# Altium PCB NC1-1A-BASIS.PcbDoc (part 1 of 2) (continued)
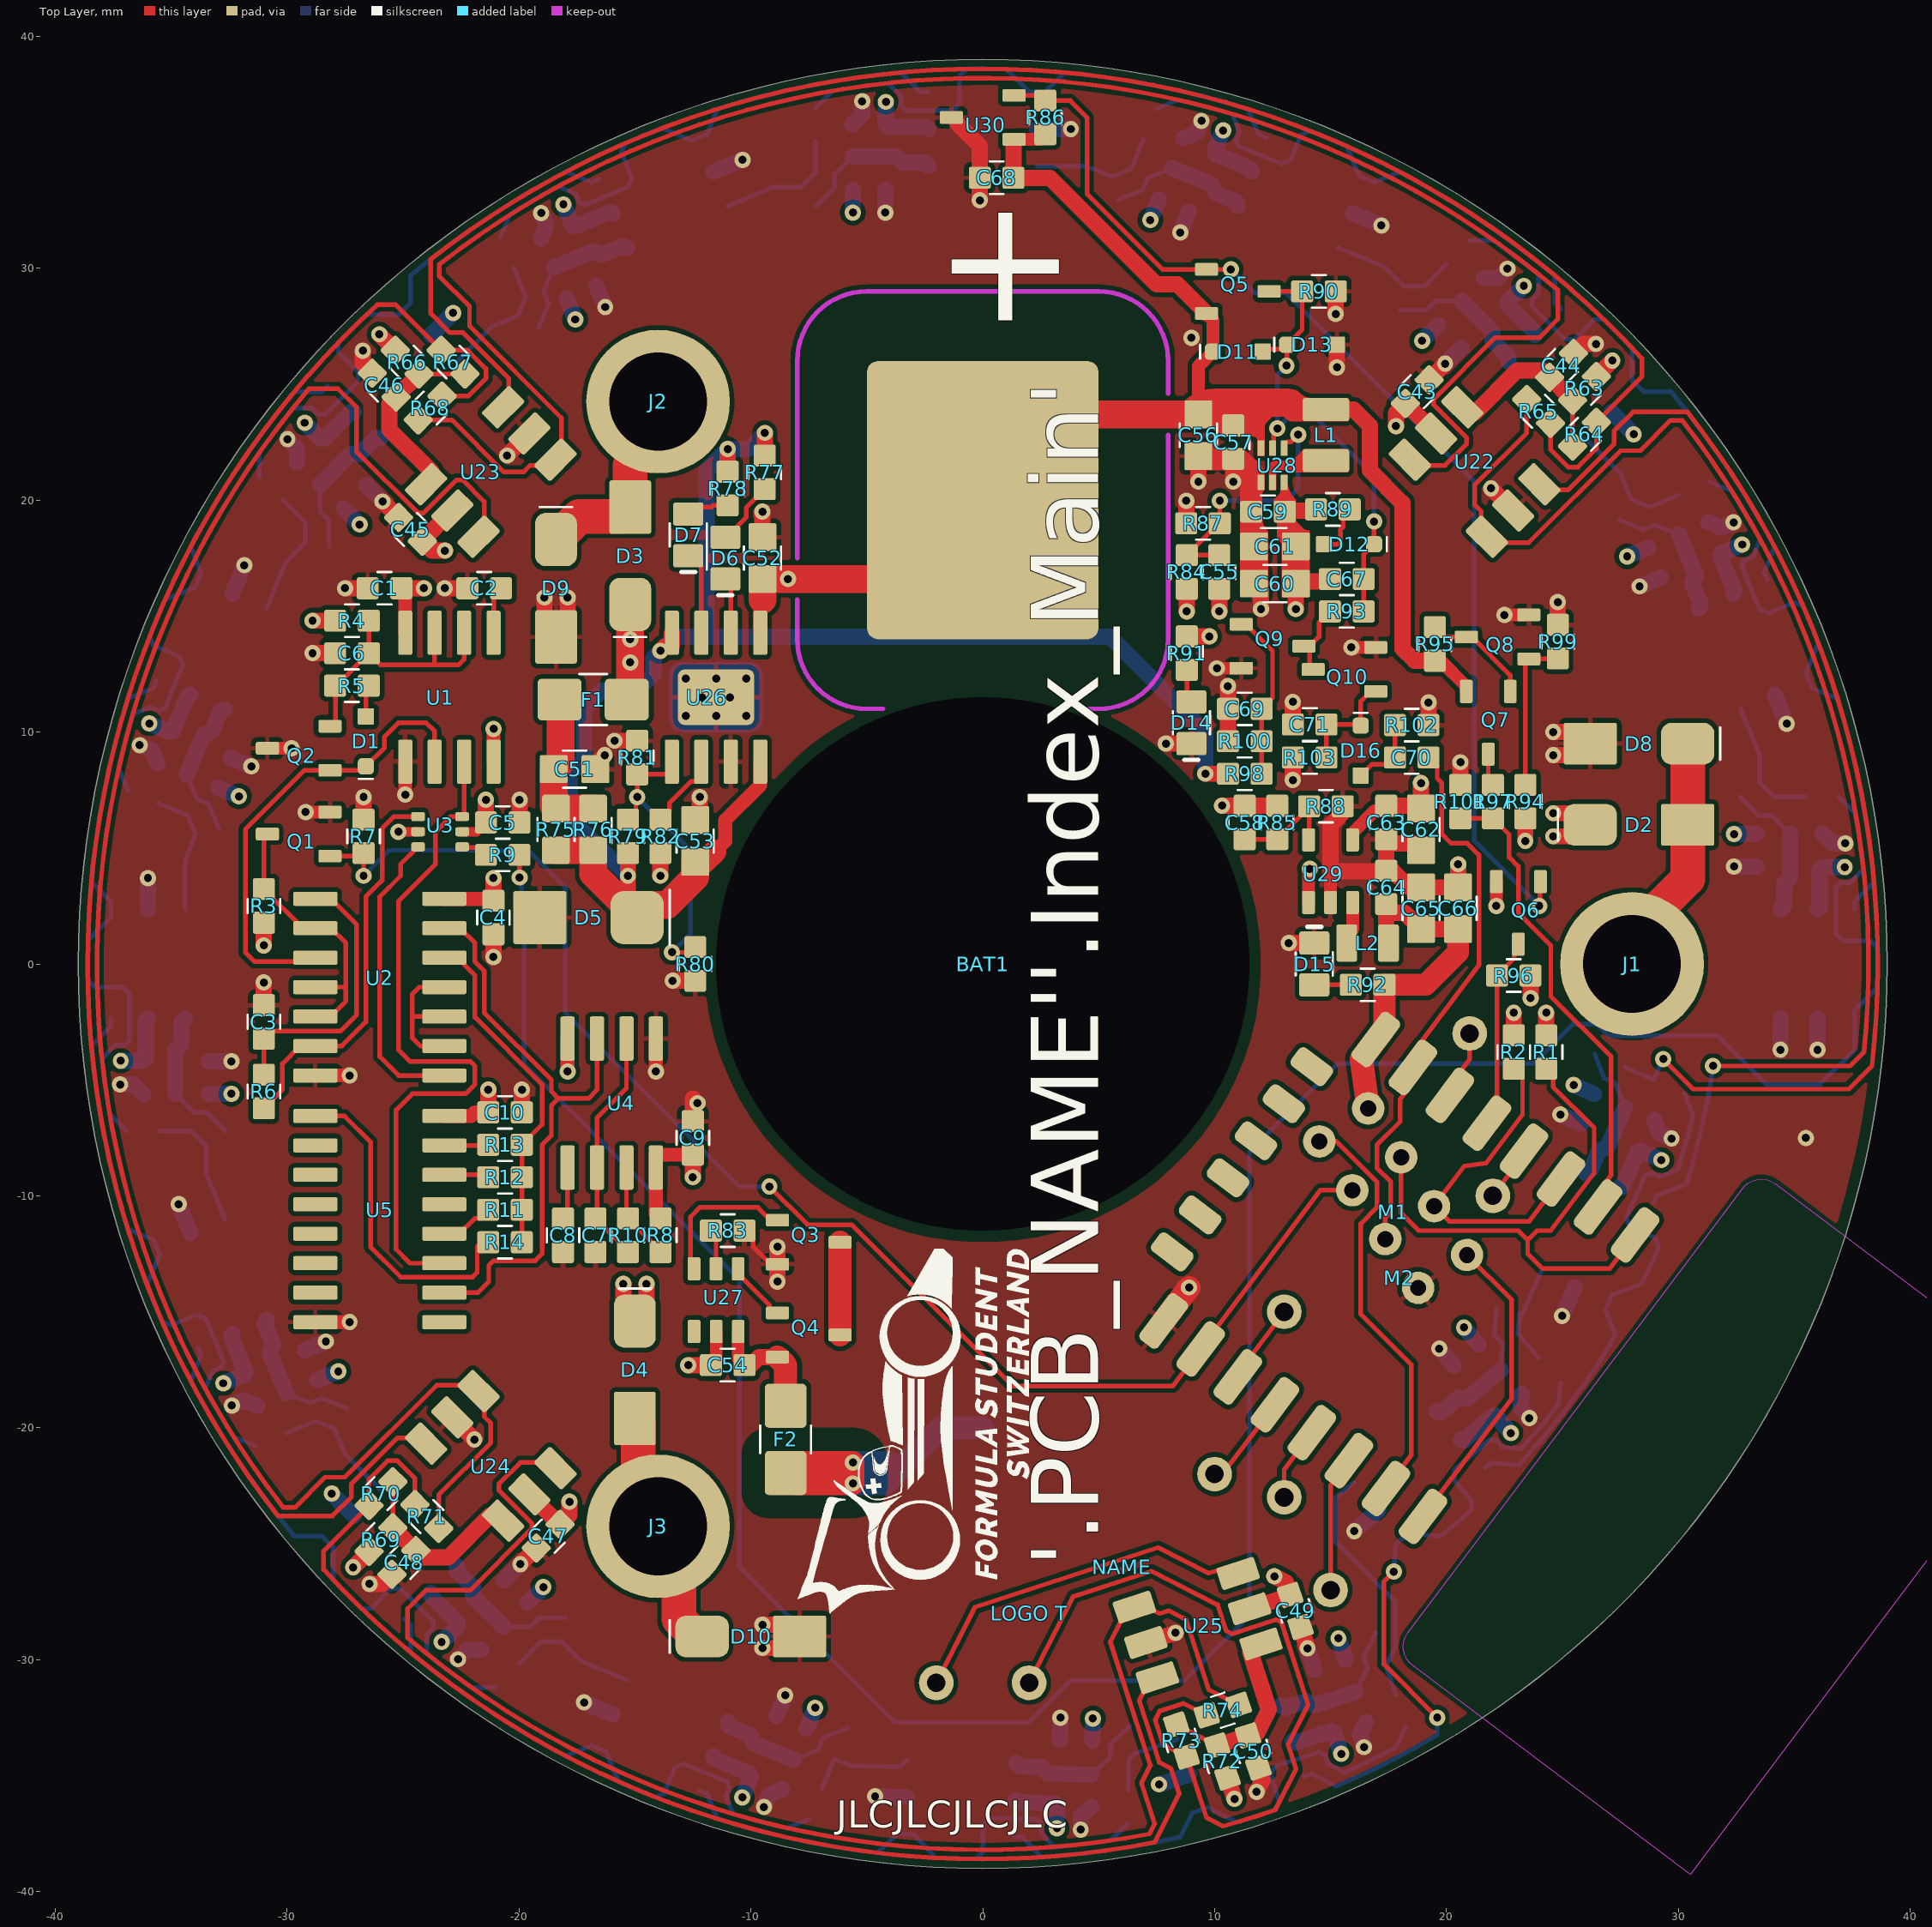
[diagram p0: Top Layer view]
## Components (designator, comment, footprint, x,y, rotation, side; value= is the part's Value field where it differs from the comment) (continued)
D7 "LED Red" LED0805_RED -12.7,18.5 r90 top value=Red
D8 "SS34" DIOM5226X230 28.3,9.5 r180 top
D9 "SS34" DIOM5226X230 -18.4,16.2 r270 top
D10 "SS34" DIOM5226X230 -10,-29 r0 top
D11 "1N5819WS" SOD2513X100 11,26.4 r0 top
D12 "1N5819WS" SOD2513X100 15.8,18.1 r180 top
D13 "1N5819WS" SOD2513X100 14.2,26.7 r0 top
D14 "LED Green" LED0805_GREEN 9,10.4 r90 top value=Green
D15 "LED Green" LED0805_GREEN 14.3,0 r270 top value=Green
D16 "1N5819WS" SOD2513X100 16.3,9.2 r270 top
F1 "1.5A/1206/Fuse" Fuse1206-0.55-WW -16.8,11.4 r180 top value=1.5A
F2 "1.5A/1206/Fuse" Fuse1206-0.55-WW -8.5,-20.5 r90 top value=1.5A
J1 "PEM M3, 2mm" MECH_SMTSO3020CTJ 28,0 r270 top
J2 "PEM M3, 2mm" MECH_SMTSO3020CTJ -14,24.249 r330 top
J3 "PEM M3, 2mm" MECH_SMTSO3020CTJ -14,-24.249 r210 top
L1 "1UH/2520" INDM2520X10 14.8,22.8 r270 top value=1UH
L2 "2.2UH/2016" INDM2016X10 16.6,0.9 r0 top value=2.2UH
"LOGO B" "Comment" FSCH-LOGO-20MM -11.9,11.3 r270 bottom
"LOGO T" "Comment" FSCH-LOGO-10MM 2,-28 r90 top
M1 "ESP-01S" ESP-01S 17.7,-10.1 r124 top
M2 "ESP-12F" ESP-12F 25.556,-19.258 r143 top
NAME "Comment" PCB-NAME 6,-26 r90 top
Q1 "AO3400A" SOT2395P280X125-3-SE -29.5,5.6 r0 top
Q2 "MMBT4403L" SOT2395P280X125-3-SE -29.5,9.3 r0 top
Q3 "AO3400A" SOT2395P280X125-3-SE -7.5,-12 r180 top
Q4 "AO3400A" SOT2395P280X125-3-SE -7.5,-16 r180 top
Q5 "BSS84" SOT2395P280X125-3-SE 11,29 r180 top
Q6 "BSS84" SOT2395P280X125-3-SE 23.1,2.2 r90 top
Q7 "BSS84" SOT2395P280X125-3-SE 21.8,10.4 r90 top
Q8 "AO3400A" SOT2395P280X125-3-SE 22.2,14.1 r0 top
Q9 "AO3400A" SOT2395P280X125-3-SE 12.5,13.7 r180 top
Q10 "AO3400A" SOT2395P280X125-3-SE 15.6,12.7 r0 top
R1 "1K5/0603" R0603-0.40-WW 24.3,-3.8 r270 top value=1K5
R2 "1K5/0603" R0603-0.40-WW 22.9,-3.8 r270 top value=1K5
R3 "1K5/0603" R0603-0.40-WW -31,2.5 r90 top value=1K5
R4 "100K/0603" R0603-0.40-WW -27.2,14.8 r0 top value=100K
R5 "20R/0603" R0603-0.40-WW -27.2,12 r180 top value=20R
R6 "100K/0603" R0603-0.40-WW -31,-5.5 r90 top value=100K
R7 "100K/0603" R0603-0.40-WW -26.7,5.5 r270 top value=100K
R8 "1K5/0603" R0603-0.40-WW -13.9,-11.7 r270 top value=1K5
R9 "270R/0603" R0603-0.40-WW -20.7,4.7 r0 top value=270R
R10 "270R/0603" R0603-0.40-WW -15.3,-11.7 r270 top value=270R
R11 "1K5/0603" R0603-0.40-WW -20.6,-10.6 r0 top value=1K5
R12 "1K5/0603" R0603-0.40-WW -20.6,-9.2 r0 top value=1K5
R13 "1K5/0603" R0603-0.40-WW -20.6,-7.8 r0 top value=1K5
R14 "1K5/0603" R0603-0.40-WW -20.6,-12 r0 top value=1K5
R15 "270R/0603" R0603-0.40-WW 34.1,5.6 r0 bottom value=270R
R16 "0R/0603" R0603-0.40-WW 33.4,7.2 r0 bottom value=0R
R17 "0R/0603" R0603-0.40-WW 36.2,7.2 r180 bottom value=0R
R18 "270R/0603" R0603-0.40-WW 29.361,18.223 r22.5 bottom value=270R (schematic designator R15)
R19 "0R/0603" R0603-0.40-WW 28.102,19.434 r22.5 bottom value=0R (schematic designator R16)
R20 "0R/0603" R0603-0.40-WW 30.689,20.505 r202.5 bottom value=0R (schematic designator R17)
R21 "270R/0603" R0603-0.40-WW 20.153,28.072 r45 bottom value=270R (schematic designator R15)
R22 "0R/0603" R0603-0.40-WW 18.526,28.709 r45 bottom value=0R (schematic designator R16)
R23 "0R/0603" R0603-0.40-WW 20.506,30.688 r225 bottom value=0R (schematic designator R17)
R24 "270R/0603" R0603-0.40-WW 7.876,33.647 r67.5 bottom value=270R (schematic designator R15)
R25 "0R/0603" R0603-0.40-WW 6.13,33.613 r67.5 bottom value=0R (schematic designator R16)
R26 "0R/0603" R0603-0.40-WW 7.201,36.2 r247.5 bottom value=0R (schematic designator R17)
R27 "270R/0603" R0603-0.40-WW -5.6,34.1 r90 bottom value=270R (schematic designator R15)
R28 "0R/0603" R0603-0.40-WW -7.2,33.4 r90 bottom value=0R (schematic designator R16)
R29 "0R/0603" R0603-0.40-WW -7.2,36.2 r270 bottom value=0R (schematic designator R17)
R30 "270R/0603" R0603-0.40-WW -18.223,29.361 r112.5 bottom value=270R (schematic designator R15)
R31 "0R/0603" R0603-0.40-WW -19.434,28.102 r112.5 bottom value=0R (schematic designator R16)
R32 "0R/0603" R0603-0.40-WW -20.505,30.689 r292.5 bottom value=0R (schematic designator R17)
R33 "270R/0603" R0603-0.40-WW -28.072,20.153 r135 bottom value=270R (schematic designator R15)
R34 "0R/0603" R0603-0.40-WW -28.709,18.526 r135 bottom value=0R (schematic designator R16)
R35 "0R/0603" R0603-0.40-WW -30.688,20.506 r315 bottom value=0R (schematic designator R17)
R36 "270R/0603" R0603-0.40-WW -33.647,7.876 r157.5 bottom value=270R (schematic designator R15)
R37 "0R/0603" R0603-0.40-WW -33.613,6.13 r157.5 bottom value=0R (schematic designator R16)
R38 "0R/0603" R0603-0.40-WW -36.2,7.201 r337.5 bottom value=0R (schematic designator R17)
R39 "270R/0603" R0603-0.40-WW -34.1,-5.6 r180 bottom value=270R (schematic designator R15)
R40 "0R/0603" R0603-0.40-WW -33.4,-7.2 r180 bottom value=0R (schematic designator R16)
R41 "0R/0603" R0603-0.40-WW -36.2,-7.2 r0 bottom value=0R (schematic designator R17)
R42 "270R/0603" R0603-0.40-WW -29.361,-18.223 r202.5 bottom value=270R (schematic designator R15)
R43 "0R/0603" R0603-0.40-WW -28.102,-19.434 r202.5 bottom value=0R (schematic designator R16)
R44 "0R/0603" R0603-0.40-WW -30.689,-20.505 r22.5 bottom value=0R (schematic designator R17)
R45 "270R/0603" R0603-0.40-WW -20.153,-28.072 r225 bottom value=270R (schematic designator R15)
R46 "0R/0603" R0603-0.40-WW -18.526,-28.709 r225 bottom value=0R (schematic designator R16)
R47 "0R/0603" R0603-0.40-WW -20.506,-30.688 r45 bottom value=0R (schematic designator R17)
R48 "270R/0603" R0603-0.40-WW -7.876,-33.647 r247.5 bottom value=270R (schematic designator R15)
R49 "0R/0603" R0603-0.40-WW -6.13,-33.613 r247.5 bottom value=0R (schematic designator R16)
R50 "0R/0603" R0603-0.40-WW -7.201,-36.2 r67.5 bottom value=0R (schematic designator R17)
R51 "270R/0603" R0603-0.40-WW 4.705,-34.235 r268.5 bottom value=270R (schematic designator R15)
R52 "0R/0603" R0603-0.40-WW 6.323,-33.577 r268.5 bottom value=0R (schematic designator R16)
R53 "0R/0603" R0603-0.40-WW 6.25,-36.376 r88.5 bottom value=0R (schematic designator R17)
R54 "270R/0603" R0603-0.40-WW 15.863,-30.701 r288 bottom value=270R (schematic designator R15)
R55 "0R/0603" R0603-0.40-WW 17.169,-29.54 r288 bottom value=0R (schematic designator R16)
R56 "0R/0603" R0603-0.40-WW 18.034,-32.203 r108 bottom value=0R (schematic designator R17)
R57 "270R/0603" R0603-0.40-WW 21.858,-16.97 r310.5 bottom value=270R (schematic designator R15)
R58 "0R/0603" R0603-0.40-WW 22.62,-15.399 r310.5 bottom value=0R (schematic designator R16)
R59 "0R/0603" R0603-0.40-WW 24.439,-17.528 r130.5 bottom value=0R (schematic designator R17)
R60 "270R/0603" R0603-0.40-WW 27.035,-5.907 r336 bottom value=270R (schematic designator R15)
R61 "0R/0603" R0603-0.40-WW 27.046,-4.16 r336 bottom value=0R (schematic designator R16)
R62 "0R/0603" R0603-0.40-WW 29.604,-5.299 r156 bottom value=0R (schematic designator R17)
R63 "270R/0603" R0603-0.40-WW 25.951,24.819 r225 top value=270R (schematic designator R15)
R64 "0R/0603" R0603-0.40-WW 25.951,22.84 r45 top value=0R (schematic designator R16)
R65 "0R/0603" R0603-0.40-WW 23.971,23.829 r315 top value=0R (schematic designator R17)
R66 "270R/0603" R0603-0.40-WW -24.819,25.951 r315 top value=270R (schematic designator R15)
R67 "0R/0603" R0603-0.40-WW -22.84,25.951 r135 top value=0R (schematic designator R16)
R68 "0R/0603" R0603-0.40-WW -23.829,23.971 r45 top value=0R (schematic designator R17)
R69 "270R/0603" R0603-0.40-WW -25.951,-24.819 r45 top value=270R (schematic designator R15)
R70 "0R/0603" R0603-0.40-WW -25.951,-22.84 r225 top value=0R (schematic designator R16)
R71 "0R/0603" R0603-0.40-WW -23.971,-23.83 r135 top value=0R (schematic designator R17)
R72 "270R/0603" R0603-0.40-WW 10.333,-34.39 r108 top value=270R (schematic designator R15)
R73 "0R/0603" R0603-0.40-WW 8.569,-33.491 r288 top value=0R (schematic designator R16)
R74 "0R/0603" R0603-0.40-WW 10.35,-32.177 r198 top value=0R (schematic designator R17)
R75 "1R/0805" R0805-0.50-WW -18.4,5.8 r270 top value=1R (schematic designator R18)
R76 "1R/0805" R0805-0.50-WW -16.8,5.8 r270 top value=1R (schematic designator R19)
R77 "270R/0603" R0603-0.40-WW -9.4,21.2 r270 top value=270R (schematic designator R20)
R78 "270R/0603" R0603-0.40-WW -11,20.5 r270 top value=270R (schematic designator R21)
R79 "4K7/0603" R0603-0.40-WW -15.3,5.5 r90 top value=4K7 (schematic designator R22)
R80 "10K/0603/NTC/3380K" R0603-0.40-WW -12.4,0 r270 top value=10K (schematic designator R23)
R81 "100K/0603" R0603-0.40-WW -14.9,8.9 r90 top value=100K (schematic designator R24)
R82 "1K5/0603" R0603-0.40-WW -13.9,5.5 r270 top value=1K5 (schematic designator R25)
R83 "1K5/0603" R0603-0.40-WW -11,-11.5 r0 top value=1K5 (schematic designator R26)
R84 "100K/0603" R0603-0.40-WW 8.8,16.9 r90 top value=100K (schematic designator R27)
R85 "100K/0603" R0603-0.40-WW 12.7,6.1 r270 top value=100K (schematic designator R28)
R86 "100K/0603" R0603-0.40-WW 2.7,36.5 r90 top value=100K (schematic designator R29)
R87 "13K/0603" R0603-0.40-WW 9.5,19 r0 top value=13K (schematic designator R30)
R88 "22K/0603" R0603-0.40-WW 14.8,6.8 r0 top value=22K (schematic designator R31)
R89 "22K/0603" R0603-0.40-WW 15.1,19.6 r180 top value=22K (schematic designator R32)
R90 "100K/0603" R0603-0.40-WW 14.5,29 r0 top value=100K (schematic designator R33)
R91 "270R/0603" R0603-0.40-WW 8.8,13.4 r270 top value=270R (schematic designator R34)
R92 "20R/0603" R0603-0.40-WW 16.6,-0.9 r180 top value=20R (schematic designator R35)
R93 "1K5/0603" R0603-0.40-WW 15.7,15.2 r180 top value=1K5 (schematic designator R36)
R94 "22K/0603" R0603-0.40-WW 23.4,7 r90 top value=22K (schematic designator R37)
R95 "100K/0603" R0603-0.40-WW 19.5,13.8 r90 top value=100K (schematic designator R38)
R96 "100K/0603" R0603-0.40-WW 22.9,-0.5 r0 top value=100K (schematic designator R39)
R97 "100K/0603" R0603-0.40-WW 22,7 r270 top value=100K (schematic designator R40)
R98 "100K/0603" R0603-0.40-WW 11.3,8.2 r0 top value=100K (schematic designator R41)
R99 "100K/0603" R0603-0.40-WW 24.8,13.9 r90 top value=100K (schematic designator R42)
R100 "10M/0603" R0603-0.40-WW 11.3,9.6 r180 top value=10M (schematic designator R43)
R101 "22K/0603" R0603-0.40-WW 20.6,7 r90 top value=22K (schematic designator R44)
R102 "270R/0603" R0603-0.40-WW 18.5,10.3 r0 top value=270R (schematic designator R45)
R103 "100K/0603" R0603-0.40-WW 14.1,8.9 r180 top value=100K (schematic designator R46)
TP1 "TP_THD_1.5/0.8" TP_THD_1.5/0.8 -2,-31 r90 bottom
TP2 "TP_THD_1.5/0.8" TP_THD_1.5/0.8 2,-31 r169.78 bottom
TP3 "TP_THD_1.5/0.8" TP_THD_1.5/0.8 10,-22 r180 bottom
TP4 "TP_THD_1.5/0.8" TP_THD_1.5/0.8 13,-15 r180 bottom
TP5 "TP_THD_1.5/0.8" TP_THD_1.5/0.8 13,-23 r180 bottom
TP6 "TP_THD_1.5/0.8" TP_THD_1.5/0.8 15,-27 r180 bottom
TP9 "TP_THD_1.5/0.8" TP_THD_1.5/0.8 21,-3 r180 bottom
TP10 "TP_THD_1.5/0.8" TP_THD_1.5/0.8 22,-10 r180 bottom
U1 "XL555" SOP127P600X155-8-SW -23,11.5 r0 top
U2 "AIP74HC00" SOP127P600X155-14-SW -26,-1 r270 top
U3 "74LVC1G157" SOT65P210X95-6-SE -23.4,5.7 r180 top
U4 "XL555" SOP127P600X155-8-SW -16,-6 r180 top
U5 "CD4040BC" SOP127P600X155-16-SW -26,-11 r270 top
U6 "WS2813B-V5" LEDM5050X165-6-SE#1 36,0 r90 bottom
U7 "WS2813B-V5" LEDM5050X165-6-SE#1 33.26,13.777 r112.5 bottom (schematic designator U6)
U8 "WS2813B-V5" LEDM5050X165-6-SE#1 25.456,25.456 r135 bottom (schematic designator U6)
U9 "WS2813B-V5" LEDM5050X165-6-SE#1 13.777,33.26 r157.5 bottom (schematic designator U6)
U10 "WS2813B-V5" LEDM5050X165-6-SE#1 0,36 r180 bottom (schematic designator U6)
U11 "WS2813B-V5" LEDM5050X165-6-SE#1 -13.777,33.26 r202.5 bottom (schematic designator U6)
U12 "WS2813B-V5" LEDM5050X165-6-SE#1 -25.456,25.456 r225 bottom (schematic designator U6)
U13 "WS2813B-V5" LEDM5050X165-6-SE#1 -33.26,13.777 r247.5 bottom (schematic designator U6)
U14 "WS2813B-V5" LEDM5050X165-6-SE#1 -36,0 r270 bottom (schematic designator U6)
U15 "WS2813B-V5" LEDM5050X165-6-SE#1 -33.26,-13.777 r292.5 bottom (schematic designator U6)
U16 "WS2813B-V5" LEDM5050X165-6-SE#1 -25.456,-25.456 r315 bottom (schematic designator U6)
U17 "WS2813B-V5" LEDM5050X165-6-SE#1 -13.777,-33.26 r337.5 bottom (schematic designator U6)
U18 "WS2813B-V5" LEDM5050X165-6-SE#1 -0.942,-35.988 r358.5 bottom (schematic designator U6)
U19 "WS2813B-V5" LEDM5050X165-6-SE#1 11.125,-34.238 r18 bottom (schematic designator U6)
U20 "WS2813B-V5" LEDM5050X165-6-SE#1 18.834,-22.052 r40.5 bottom (schematic designator U6)
U21 "WS2813B-V5" LEDM5050X165-6-SE#1 26.493,-11.795 r66 bottom (schematic designator U6)
U22 "WS2813B-V5" LEDM5050X165-6-SE#2 21.213,21.213 r135 top (schematic designator U6)
U23 "WS2813B-V5" LEDM5050X165-6-SE#2 -21.213,21.213 r225 top (schematic designator U6)
U24 "WS2813B-V5" LEDM5050X165-6-SE#2 -21.213,-21.213 r315 top (schematic designator U6)
U25 "WS2813B-V5" LEDM5050X165-6-SE#2 9.271,-28.532 r18 top (schematic designator U6)
U26 "TP4056-MS" SOP127P600X155-9-TH330x240-NW -11.5,11.5 r90 top (schematic designator U7)
U27 "DW01A" SOT2395P280X125-6-SW -11.5,-14.5 r180 top (schematic designator U8)
U28 "TPS61023" SOT50P160X60-6-SE 12.5,21.5 r90 top (schematic designator U9)
U29 "ZD8028C" SOT2395P280X125-5-SW 15,4 r0 top (schematic designator U10)
U30 "UHE4913" SOT2395P280X125-3-SE 0,36.5 r0 top (schematic designator U11)
? "Comment" JLC 0,-37 r0 top

## Footprints (in the part's own frame and the unit in brackets; to place one, negate y for a bottom-side part, rotate by r counter-clockwise, add the part's x,y. Pads: shape width x height; smd on the part's side, far side on the other; paste and mask are expansions set on the pad)
BAT-21700-NC [mm] "Hole for 21700 with two solder Pads for FSCH nightcone project"
  rrect10% 12x10 smd paste-2539.97: 1(20,0)
  rrect10% 12x10 smd far side paste-2539.97: 2(-20,0)
  round 0 hole 23 unplated: M15(0,0)
  body extent -24,-10.5 24,10.5, height 40
CAP0603_C0G [mm]
  rrect20% 0.95x0.95 smd: 1(-0.725,0) 2(0.725,0)
  silkscreen extent -0.3,-0.7 0.3,0.7, body extent -0.8,-0.41 0.8,0.41, height 0.57
CAP0603_X7R [mm]
  rrect20% 0.95x0.95 smd: 1(-0.725,0) 2(0.725,0)
  silkscreen extent -0.3,-0.7 0.3,0.7, body extent -0.8,-0.41 0.8,0.41, height 0.57
CAP0805_X7R [mm] "Chip Capacitor 0805mil / 2012mm"
  rrect10% 1.2x1.2 smd: 1(-0.9,0) 2(0.9,0)
  silkscreen extent -0.5,-0.8 0.5,0.8, body extent -1,-0.51 1,0.51, height 0.72
DIOM5226X230 [mm] "DO-214AC"
  rrect50% 2.3x1.8 smd: 1(-2.1,0)
  rrect10% 2.3x1.8 smd: 2(2.1,0)
  silkscreen extent -3.5,-0.7 -3.5,0.7, body extent -2.6,-1.4 2.6,1.4, height 2.29
DIOM5436X265 [mm] "DO-214AA"
  rrect50% 2.3x2.3 smd: 1(-2.1,0)
  rrect10% 2.3x2.3 smd: 2(2.1,0)
  silkscreen extent -3.5,-1.2 -3.5,1.2, body extent -2.7,-1.8 2.7,1.8, height 2.65
ESP-01S [mm]
  round 0.4 on Top Overlay: 1(-4.4,2.5)
  round 1.4 hole 0.7: 1(-3.81,1.27) 2(-1.27,1.27) 3(1.27,1.27) 4(3.81,1.27) 5(-3.81,-1.27) 6(-1.27,-1.27) 7(1.27,-1.27) 8(3.81,-1.27)
  body extent -7.3,-2.8 7.1,21.9, height 5
ESP-12F [mm]
  rrect50% 1x2.5 smd: 1(2.5,-7.6) 2(4.5,-7.6) 3(6.5,-7.6) 4(8.5,-7.6) 5(10.5,-7.6) 6(12.5,-7.6) 7(14.5,-7.6) 8(16.5,-7.6) 15(16.5,7.6) 16(14.5,7.6) 17(12.5,7.6) 18(10.5,7.6) 19(8.5,7.6) 20(6.5,7.6) 21(4.5,7.6) 22(2.5,7.6)
  rrect50% 1.8x1 smd: 9(18,-5) 10(18,-3) 11(18,-1) 12(18,1) 13(18,3) 14(18,5)
  Keep-Out Layer region: -16,13 -1,13 -0.617,12.924 -0.293,12.707 -0.076,12.383 0,12 0,12 0,-12 -0.076,-12.383 -0.293,-12.707 -0.617,-12.924 -1,-13 -1,-13 -16,-13
  body extent -6,-8 18,8, height 3.1
FSCH-LOGO-10MM [mm]
  silkscreen extent 0,0 15.7,9.99, body extent 0,0 15.7,9.99, height 0.01
FSCH-LOGO-20MM [mm]
  silkscreen extent 0,0 31.48,20.02, body extent 0,0 31.48,20.02, height 0.01
Fuse1206-0.55-WW [mm]
  rrect20% 1.9x1.8 smd: 1(-1.45,0) 2(1.45,0)
  silkscreen extent -0.6,-1.1 0.6,1.1, body extent -1.6,-0.8 1.6,0.8, height 0.62
INDM2016X10 [mm]
  rrect20% 0.9x1.6 smd: 1(-0.9,0) 2(0.9,0)
  body extent -1,-0.8 1,0.8, height 1
INDM2520X10 [mm]
  rrect20% 1x2 smd: 1(-1.1,0) 2(1.1,0)
  body extent -1.25,-1 1.26,1, height 1
JLC [mm]
LED0805_GREEN [mm]
  rrect20% 1x1.3 smd: 1(-0.9,0) 2(0.9,0)
  silkscreen extent -1.6,-0.8 0.5,0.8, body extent -1,-0.6 1,0.6, height 0.8
LED0805_RED [mm]
  rrect20% 1x1.3 smd: 1(-0.9,0) 2(0.9,0)
  silkscreen extent -1.6,-0.8 0.5,0.8, body extent -1,-0.6 1,0.6, height 0.8
LEDM5050X165-6-SE#1 [mm] "WS2813"
  rrect20% 1.7x1 smd: 1(2.35,-1.6) 2(2.35,0) 3(2.35,1.6) 4(-2.35,1.6) 5(-2.35,0) 6(-2.35,-1.6)
  round 0.4 on Bottom Overlay: 1(2.5,-2.7)
  body extent -2.7,-2.5 2.7,2.5, height 1.65
LEDM5050X165-6-SE#2 [mm] "WS2813"
  rrect20% 1.7x1 smd: 1(2.35,-1.6) 2(2.35,0) 3(2.35,1.6) 4(-2.35,1.6) 5(-2.35,0) 6(-2.35,-1.6)
  round 0.4 on Top Overlay: 1(2.5,-2.7)
  body extent -2.7,-2.5 2.7,2.5, height 1.65
MECH_SMTSO3020CTJ [mm] "SMTSO M3x0.5, 2mm Solder Nut"
  round 6.2 / inner round 5.2 / far side round 5.2 hole 4.22: 1(0,0)
  body extent -2.77,-2.78 2.77,2.78, height 2
PCB-NAME [mm]
R0603-0.40-WW [mm]
  rrect20% 0.95x0.95 smd: 1(-0.725,0) 2(0.725,0)
  silkscreen extent -0.3,-0.7 0.3,0.7, body extent -0.8,-0.4 0.8,0.4, height 0.3
R0805-0.50-WW [mm]
  rrect20% 1.2x1.2 smd: 1(-0.9,0) 2(0.9,0)
  silkscreen extent -0.5,-0.8 0.5,0.8, body extent -1,-0.5 1,0.5, height 0.37
SOD2513X100 [mm] "SOD-323"
  rrect50% 0.7x0.7 smd: 1(-1.075,0)
  rrect10% 0.7x0.7 smd: 2(1.075,0)
  silkscreen extent -1.63,-0.3 -1.63,0.3, body extent -1.25,-0.65 1.25,0.65, height 1
SOP127P600X155-8-SW [mm] "PHDSO-G8-I127, JEDEC MS-012AA, SOIC8"
  round 0.4 on Top Overlay: 1(-2.7,-2.5)
  rrect25% 0.61x1.91 smd: 1(-1.905,-2.78) 2(-0.635,-2.78) 3(0.635,-2.78) 4(1.905,-2.78) 5(1.905,2.78) 6(0.635,2.78) 7(-0.635,2.78) 8(-1.905,2.78)
  body extent -2.4,-3 2.4,3, height 1.45
SOP127P600X155-9-TH330x240-NW [mm] "PHDSO-G8-I127, JEDEC MS-012AA, SOIC8 with Thermal Pad"
  rrect25% 1.91x0.61 smd: 1(-2.78,1.905) 2(-2.78,0.635) 3(-2.78,-0.635) 4(-2.78,-1.905) 5(2.78,-1.905) 6(2.78,-0.635) 7(2.78,0.635) 8(2.78,1.905)
  round 0.4 on Top Overlay: 1(-2.5,2.7)
  rrect25% 2.4x3.3 smd: EP(0,0)
  body extent -3,-2.45 3,2.45, height 1.7
SOP127P600X155-14-SW [mm] "PHDSO-G8-I127, JEDEC MS-012AA, SOIC8"
  round 0.4 on Top Overlay: 1(-4.605,-2.5)
  rrect25% 0.61x1.91 smd: 1(-3.81,-2.78) 2(-2.54,-2.78) 3(-1.27,-2.78) 4(0,-2.78) 5(1.27,-2.78) 6(2.54,-2.78) 7(3.81,-2.78) 8(3.81,2.78) 9(2.54,2.78) 10(1.27,2.78) 11(0,2.78) 12(-1.27,2.78) 13(-2.54,2.78) 14(-3.81,2.78)
  body extent -4.31,-3 4.31,3, height 1.6
SOP127P600X155-16-SW [mm] "PHDSO-G8-I127, JEDEC MS-012AA, SOIC8"
  round 0.4 on Top Overlay: 1(-5.24,-2.5)
  rrect25% 0.61x1.91 smd: 1(-4.445,-2.78) 2(-3.175,-2.78) 3(-1.905,-2.78) 4(-0.635,-2.78) 5(0.635,-2.78) 6(1.905,-2.78) 7(3.175,-2.78) 8(4.445,-2.78) 9(4.445,2.78) 10(3.175,2.78) 11(1.905,2.78) 12(0.635,2.78) 13(-0.635,2.78) 14(-1.905,2.78) 15(-3.175,2.78) 16(-4.445,2.78)
  body extent -4.94,-3 4.94,3, height 1.6
SOT50P160X60-6-SE [mm] "SOT563"
  round 0.2 on Top Overlay: 1(0.7,-0.9)
  rrect25% 0.67x0.3 smd: 1(0.74,-0.5) 2(0.74,0) 3(0.74,0.5) 4(-0.74,0.5) 5(-0.74,0) 6(-0.74,-0.5)
  body extent -0.8,-0.8 0.8,0.8, height 0.6
SOT65P210X95-6-SE [mm] "SOT-363"
  round 0.2 on Top Overlay: 1(0.9,-1.2)
  rrect50% 0.6x0.4 smd: 1(0.95,-0.65) 2(0.95,0) 3(0.95,0.65) 4(-0.95,0.65) 5(-0.95,0) 6(-0.95,-0.65)
  body extent -1.1,-1.1 1.1,1.1, height 1.11
SOT2395P280X125-3-SE [mm] "SOT23-3, SC74"
  rrect25% 1x0.55 smd: 1(1.35,-0.95) 2(1.35,0.95) 3(-1.35,0)
  round 0.4 on Top Overlay: 1(1.6,-1.6)
  body extent -1.4,-1.45 1.4,1.45, height 1.26
SOT2395P280X125-5-SW [mm] "SOT23-5"
  round 0.4 on Top Overlay: 1(-1.6,-1.6)
  rrect25% 0.55x1 smd: 1(-0.95,-1.35) 2(0,-1.35) 3(0.95,-1.35) 4(0.95,1.35) 5(-0.95,1.35)
  body extent -1.45,-1.4 1.45,1.4, height 1.26
SOT2395P280X125-6-SW [mm] "SOT23-6"
  round 0.4 on Top Overlay: 1(-1.6,-1.6)
  rrect25% 0.55x1 smd: 1(-0.95,-1.35) 2(0,-1.35) 3(0.95,-1.35) 4(0.95,1.35) 5(-0.01,1.35) 6(-0.95,1.35)
  body extent -1.45,-1.4 1.45,1.4, height 1.26
TP_THD_1.5/0.8 [mm] "Testpoint THD 1.5mm / 0.8mm"
  round 1.5 hole 0.8: 1(0,0)
  silkscreen extent -1,-1 1,1

## Part data
BAT1: "21700 Battery cell for FSCH nightcone project", Manufacturer=NONE, Part Number=BAT_21700_NightCone
C1 C2 C3 C4 C5 C6 C8 C9 C10 C11 C12 C13 C14 C15 C16 C17 C18 C19 C20 C21 C22 C23 C24 C25 C26 C27 C28 C29 C30 C31 C32 C33 C34 C35 C36 C37 C38 C39 C40 C41 C42 C43 C44 C45 C46 C47 C48 C49 C50 C57 C59 C63 C64 C67 C68 C69 C71: "CAP SM 0603 1.0uF 50V X5R", Absolute Value=1E-6, JLC Type=Basic, Manufacturer=GENERIC, Manufacturer Part Number 3=CL10A105KB8NNNC, Package=603, Part Number=1U/0603/50V/X5R, Supplier 3=LCSC, Supplier Part Number 3=C15849
C7 C55 C58: "CAP SM 0603 470pF 50V C0G", Absolute Value=4.7E-10, JLC Type=Extended, Manufacturer=GENERIC, Manufacturer 1=YAGEO, Manufacturer Part Number 1=CC0603JRNPO9BN471, Manufacturer Part Number 2=CC0603KRNPO9BN471, Manufacturer Part Number 3=GCM1885C1H471JA16D, Package=603, Supplier Part Number 1=311-1520-1-ND, HelpURL=https://www.yageo.com/upload/media/product/productsearch/datasheet/mlcc/UPY-GP_NP0_16V-to-50V_18.pdf, Manufacturer 2=YAGEO, Part Number=470P/0603/50V/C0G, Supplier 1=Digi-Key, Supplier 2=Digi-Key, Supplier 3=LCSC, Supplier Part Number 2=311-4038-1-ND, Supplier Part Number 3=C126566
C51 C52 C53 C56 C60 C61 C62 C65 C66: "CAP SM 0805 22uF 25V X5R", Absolute Value=2.2E-5, JLC Type=Basic, Manufacturer=GENERIC, Manufacturer Part Number 3=CL21A226MAQNNNE, Package=805, Part Number=22U/0805/25V/X5R, Supplier 3=LCSC, Supplier Part Number 3=C45783
C54 C70: "CAP SM 0603 100nF 50V X7R", Absolute Value=1E-7, JLC Type=Basic, Manufacturer=GENERIC, Manufacturer 1=YAGEO, Manufacturer Part Number 1=CC0603KPX7R9BB104, Manufacturer Part Number 2=CC0603MRX7R9BB104, Manufacturer Part Number 3=CC0603KRX7R9BB104, Package=603, Supplier Part Number 1=311-3567-1-ND, HelpURL=https://www.yageo.com/upload/media/product/app/datasheet/mlcc/upy-gphc_x7r_6_3v-to-250v.pdf, Manufacturer 2=YAGEO, Part Number=100N/0603/50V/X7R, Supplier 1=Digi-Key, Supplier 2=Digi-Key, Supplier 3=LCSC, Supplier Part Number 2=311-4110-1-ND, Supplier Part Number 3=C14663
D1 D11 D12 D13 D16: "40V 600mV@1A 1A SOD-323 Schottky Barrier Diodes (SBD) ROHS", Absolute Value=40V, JLC Type=Basic, Manufacturer=GENERIC, Manufacturer 3="Guangdong Hottech", Package=SOD323, HelpURL=https://datasheet.lcsc.com/lcsc/2204281430_Guangdong-Hottech-1N5819WS_C191023.pdf, Manufacturer Part Number 3=1N5819WS, Part Number=1N5819WS, Supplier 3=LCSC, Supplier Part Number 3=C191023
D2 D3 D4 D8 D9 D10: "Si Shottky Diode 3A DO-214AC", JLC Type=Basic, Manufacturer=GENERIC, Manufacturer 3=MDD, Package="DO-214AC, SMA", HelpURL=https://datasheet.lcsc.com/lcsc/2303141100_MDD-Microdiode-Electronics--SS34_C8678.pdf, Manufacturer Part Number 3=SS34, Part Number=SS34, Supplier 3=LCSC, Supplier Part Number 3=C8678
D5: "10.5V 6.45V 5.8V SMB(DO-214AA) TVS", Absolute Value=6.8V, JLC Type=Basic, Manufacturer="Littelfuse Inc.", Manufacturer 3=Brightking, Manufacturer Part Number 3=P6SMB6.8CA/TR13, Package=DO-214AA, HelpURL=https://datasheet.lcsc.com/lcsc/1810181007_Brightking-P6SMB6-8CA-TR13_C78395.pdf, Part Number=P6SMB6.8CA, Supplier 3=LCSC, Supplier Part Number 3=C78395
D6 D14 D15: library part "LED Green 0805", "Generic LED Green 0805", Absolute Value=Green, JLC Type=Basic, Manufacturer=GENERIC, Manufacturer 1=Würth, Manufacturer 3="Hubei KENTO Elec", Manufacturer Part Number 1=150080GS75000, Manufacturer Part Number 3=KT-0805G, Package=805, Supplier Part Number 1=732-4983-1-ND, HelpURL=https://www.we-online.com/katalog/datasheet/150060VS75000.pdf, Part Number="LED Green 0805", Supplier 1=Digi-Key, Supplier 3=LCSC, Supplier Part Number 3=C2297
D7: library part "LED Red 0805", "Generic LED Red 0805", Absolute Value=Red, JLC Type=Basic, Manufacturer=GENERIC, Manufacturer 1=Würth, Manufacturer 3="Foshan NationStar Optoelectronics", Manufacturer Part Number 1=150080RS75000, Manufacturer Part Number 3=NCD0805R1, Package=805, Supplier Part Number 1=732-4984-1-ND, HelpURL=https://www.we-online.com/katalog/datasheet/150060RS75000.pdf, Part Number="LED Red 0805", Supplier 1=Digi-Key, Supplier 3=LCSC, Supplier Part Number 3=C84256
F1 F2: "Multifuse 1206 1.5A", Absolute Value=1.5, JLC Type=Extended, Manufacturer=GENERIC, Manufacturer 1=Bourns, Manufacturer Part Number 1=MF-NSMF150-2, Package=1206, Supplier Part Number 1=MF-NSMF150-2CT-ND, HelpURL=https://www.bourns.com/docs/product-datasheets/mf-nsmf.pdf?sfvrsn=39c76af6_20, Manufacturer 3=Bourns, Manufacturer Part Number 3=MF-NSMF150-2, Part Number=1.5A/1206/Fuse, Supplier 1=Digi-Key, Supplier 3=LCSC, Supplier Part Number 3=C89655
J1 J2 J3: "Solder Nut M3x0.5, 2mm", JLC Type=Extended, Manufacturer=GENERIC, Manufacturer 2=PEM, Manufacturer 3=Sinhoo, Manufacturer Part Number 2=SMTSO-M3-2ET, Manufacturer Part Number 3=SMTSO3020MTJ, Part Number="PEM M3, 2mm", Supplier 2=Mouser, Supplier 3=LCSC, Supplier Part Number 2=153-SMTSO-M3-2ET, Supplier Part Number 3=C2915633
L1: "1UH 2520 Shielded Inductor SMD", Absolute Value=1E-6, JLC Type=Extended, Manufacturer=GENERIC, Manufacturer 1="INPAQ Technology Co., Ltd", Manufacturer 3=INPAQ, Manufacturer Part Number 1=WIP252010S-1R0MLDG, Manufacturer Part Number 3=WIP252012P-1R0ML, Package="2520 metric", Supplier Part Number 1=3526-WIP252010S-1R0MLDGCT-ND, HelpURL=https://mm.digikey.com/Volume0/opasdata/d220001/medias/docus/5561/WIP252010S%20L%20Series.pdf, Part Number=1UH/2520, Supplier 1=Digi-Key, Supplier 3=LCSC, Supplier Part Number 3=C315711
L2: "2.2UH 2016 Shielded Inductor SMD", Absolute Value=2.2E-6, JLC Type=Extended, Manufacturer=GENERIC, Manufacturer 1="INPAQ Technology Co., Ltd", Manufacturer 3=INPAQ, Manufacturer Part Number 1=WIP201610S-2R2MLDG, Manufacturer Part Number 3=WIP201610P-2R2ML, Package="2016 metric", Supplier Part Number 1=3526-WIP201610S-2R2MLDGCT-ND, HelpURL=https://mm.digikey.com/Volume0/opasdata/d220001/medias/docus/5561/WIP201610S%20L%20Series.pdf, Part Number=2.2UH/2016, Supplier 1=Digi-Key, Supplier 3=LCSC, Supplier Part Number 3=C315717
M1: "ESP8266 based Module with 1MByte Storage", JLC Type=Extended, Manufacturer=AI-Thinker, Manufacturer 3=Ai-Thinker, Package=Board, HelpURL=https://www.microchip.ua/wireless/esp01.pdf, Manufacturer Part Number 3=ESP-01S, Part Number=ESP-01S, Supplier 3=LCSC, Supplier Part Number 3=C503582
M2: "ESP8266 based Module with 4MByte Storage", JLC Type=Extended, Manufacturer=AI-Thinker, Manufacturer 3=Ai-Thinker, Manufacturer Part Number 3=ESP-12F(ESP8266MOD), Package=Board, Part Number=ESP-12F, Supplier 3=LCSC, Supplier Part Number 3=C82891
Q1 Q3 Q4 Q8 Q9 Q10: "30V N-Channel MOSFET", JLC Type=Basic, Manufacturer="Alpha & Omega Semiconductor", Package=SOT23, HelpURL=https://aosmd.com/res/data_sheets/AO3400A.pdf, Manufacturer 3="Alpha & Omega Semiconductor", Manufacturer Part Number 3=AO3400A, Part Number=AO3400A, Supplier 3=LCSC, Supplier Part Number 3=C20917
Q2: "Switching Transistor PNP Silicon", JLC Type=Extended, Manufacturer="ON SEMI", Manufacturer 3=ONSEMI, Manufacturer Part Number 3=MMBT4403LT1G, Package=SOT23, HelpURL=https://www.onsemi.com/pdf/datasheet/mmbt4403lt1-d.pdf, Part Number=MMBT4403L, Supplier 3=LCSC, Supplier Part Number 3=C78864
Q5 Q6 Q7: "50V P-Channel MOSFET", JLC Type=Extended, Manufacturer=GENERIC, Manufacturer 1="Good-Ark Semiconductor", Manufacturer 3="Jiangsu Changjing Electronics Technology Co., Ltd.", Package=SOT23, Supplier Part Number 1=4786-BSS84CT-ND, HelpURL=https://goodarksemi.com/docs/datasheets/mosfets/BSS84.pdf, Manufacturer Part Number 1=BSS84, Manufacturer Part Number 3=BSS84, Part Number=BSS84, Supplier 1=Digi-Key, Supplier 3=LCSC, Supplier Part Number 3=C114481
R1 R2 R3 R8 R11 R12 R13 R14 R82 R83 R93: "RES SM 0603 1K5", Absolute Value=1500, JLC Type=Basic, Manufacturer=GENERIC, Manufacturer 1=YAGEO, Manufacturer 3="UNI-ROYAL(Uniroyal Elec)", Manufacturer Part Number 1=RC0603FR-131K5L, Manufacturer Part Number 2=RC0603FR-101K5L, Manufacturer Part Number 3=0603WAF1501T5E, Package=0603, Supplier Part Number 1=13-RC0603FR-131K5LCT-ND, HelpURL=https://www.yageo.com/upload/media/product/app/datasheet/rchip/pyu-rc_group_51_rohs_l.pdf, Manufacturer 2=YAGEO, Part Number=1K5/0603, Supplier 1=Digi-Key, Supplier 2=Digi-Key, Supplier 3=LCSC, Supplier Part Number 2=13-RC0603FR-101K5LCT-ND, Supplier Part Number 3=C22843
R4 R6 R7 R81 R84 R85 R86 R90 R95 R96 R97 R98 R99 R103: "RES SM 0603 100K", Absolute Value=100000, JLC Type=Basic, Manufacturer=GENERIC, Manufacturer 1=YAGEO, Manufacturer 3="UNI-ROYAL(Uniroyal Elec)", Manufacturer Part Number 1=RC0603FR-13100KL, Manufacturer Part Number 2=RC0603FR-10100KL, Manufacturer Part Number 3=0603WAF1003T5E, Package=0603, Supplier Part Number 1=13-RC0603FR-13100KLCT-ND, HelpURL=https://www.yageo.com/upload/media/product/productsearch/datasheet/rchip/PYu-RC_Group_51_RoHS_L_12.pdf, Manufacturer 2=YAGEO, Part Number=100K/0603, Supplier 1=Digi-Key, Supplier 2=Digi-Key, Supplier 3=LCSC, Supplier Part Number 2=13-RC0603FR-10100KLCT-ND, Supplier Part Number 3=C25803
R5 R92: "RES SM 0603 20R", Absolute Value=20, JLC Type=Basic, Manufacturer=GENERIC, Manufacturer 1=YAGEO, Manufacturer 3="UNI-ROYAL(Uniroyal Elec)", Manufacturer Part Number 1=RC0603FR-1320RL, Manufacturer Part Number 2=RC0603FR-1020RL, Manufacturer Part Number 3=0603WAF200JT5E, Package=0603, Supplier Part Number 1=13-RC0603FR-1320RLCT-ND, HelpURL=https://www.yageo.com/upload/media/product/app/datasheet/rchip/pyu-rc_group_51_rohs_l.pdf, Manufacturer 2=YAGEO, Part Number=20R/0603, Supplier 1=Digi-Key, Supplier 2=Digi-Key, Supplier 3=LCSC, Supplier Part Number 2=13-RC0603FR-1020RLCT-ND, Supplier Part Number 3=C22950
R9 R10 R15 R18 R21 R24 R27 R30 R33 R36 R39 R42 R45 R48 R51 R54 R57 R60 R63 R66 R69 R72 R77 R78 R91 R102: "RES SM 0603 270R", Absolute Value=270, JLC Type=Basic, Manufacturer=GENERIC, Manufacturer 1=YAGEO, Manufacturer 3="UNI-ROYAL(Uniroyal Elec)", Manufacturer Part Number 1=RC0603FR-13270RL, Manufacturer Part Number 2=RC0603FR-10270RL, Manufacturer Part Number 3=0603WAF2700T5E, Package=0603, Supplier Part Number 1=13-RC0603FR-13270RLCT-ND, HelpURL=https://www.yageo.com/upload/media/product/productsearch/datasheet/rchip/PYu-RC_Group_51_RoHS_L_12.pdf, Manufacturer 2=YAGEO, Part Number=270R/0603, Supplier 1=Digi-Key, Supplier 2=Digi-Key, Supplier 3=LCSC, Supplier Part Number 2=13-RC0603FR-10270RLCT-ND, Supplier Part Number 3=C22966
R16 R17 R19 R20 R22 R23 R25 R26 R28 R29 R31 R32 R34 R35 R37 R38 R40 R41 R43 R44 R46 R47 R49 R50 R52 R53 R55 R56 R58 R59 R61 R62 R64 R65 R67 R68 R70 R71 R73 R74: "RES SM 0603 0R", Absolute Value=0, JLC Type=Basic, Manufacturer=GENERIC, Manufacturer 1=YAGEO, Manufacturer 3="UNI-ROYAL(Uniroyal Elec)", Manufacturer Part Number 1=RC0603FR-070RL, Manufacturer Part Number 2=RC0603FR-130RL, Manufacturer Part Number 3=0603WAF0000T5E, Package=0603, Supplier Part Number 1=311-0.0HRCT-ND, HelpURL=https://www.yageo.com/upload/media/product/app/datasheet/rchip/pyu-rc_group_51_rohs_l.pdf, Manufacturer 2=YAGEO, Part Number=0R/0603, Supplier 1=Digi-Key, Supplier 2=Digi-Key, Supplier 3=LCSC, Supplier Part Number 2=13-RC0603FR-130RLCT-ND, Supplier Part Number 3=C21189
R75 R76: "RES SM 0805 1R", Absolute Value=1, JLC Type=Basic, Manufacturer=GENERIC, Manufacturer 1=YAGEO, Manufacturer 3="UNI-ROYAL(Uniroyal Elec)", Manufacturer Part Number 1=RC0805FR-131RL, Manufacturer Part Number 2=RC0805FR-101RL, Manufacturer Part Number 3=0805W8F100KT5E, Package=805, Supplier Part Number 1=13-RC0805FR-131RLCT-ND, HelpURL=https://www.yageo.com/upload/media/product/productsearch/datasheet/rchip/PYu-RC_Group_51_RoHS_L_12.pdf, Manufacturer 2=YAGEO, Part Number=1R/0805, Supplier 1=Digi-Key, Supplier 2=Digi-Key, Supplier 3=LCSC, Supplier Part Number 2=13-RC0805FR-101RLCT-ND, Supplier Part Number 3=C25271
R79: "RES SM 0603 4K7", Absolute Value=4700, JLC Type=Basic, Manufacturer=GENERIC, Manufacturer 1=YAGEO, Manufacturer 3="UNI-ROYAL(Uniroyal Elec)", Manufacturer Part Number 1=RC0603FR-134K7L, Manufacturer Part Number 2=RC0603FR-104K7L, Manufacturer Part Number 3=0603WAF4701T5E, Package=0603, Supplier Part Number 1=13-RC0603FR-134K7LCT-ND, HelpURL=https://www.yageo.com/upload/media/product/app/datasheet/rchip/pyu-rc_group_51_rohs_l.pdf, Manufacturer 2=YAGEO, Part Number=4K7/0603, Supplier 1=Digi-Key, Supplier 2=Digi-Key, Supplier 3=LCSC, Supplier Part Number 2=13-RC0603FR-104K7LCT-ND, Supplier Part Number 3=C23162
R80: "RES NTC SM 0603 10K", Absolute Value=10000, JLC Type=Extended, Manufacturer=GENERIC, Manufacturer 1=Murata, Manufacturer 3=Sunlord, Manufacturer Part Number 1=NCU18XH103E60RB, Manufacturer Part Number 3=SDNT1608X103F3380FTF, Package=603, Supplier Part Number 1=490-18164-1-ND, HelpURL=https://www.murata.com/en-us/api/pdfdownloadapi?cate=luNTCforTempeSenso&partno=NCU18XH103E60RB, Part Number=10K/0603/NTC/3380K, Supplier 1=Digi-Key, Supplier 3=LCSC, Supplier Part Number 3=C316397
R87: "RES SM 0603 13K", Absolute Value=13000, JLC Type=Basic, Manufacturer=GENERIC, Manufacturer 1=YAGEO, Manufacturer 3="UNI-ROYAL(Uniroyal Elec)", Manufacturer Part Number 1=RC0603FR-1313KL, Manufacturer Part Number 2=RC0603FR-1013KL, Manufacturer Part Number 3=0603WAF1302T5E, Package=0603, Supplier Part Number 1=13-RC0603FR-1313KLCT-ND, HelpURL=https://www.yageo.com/upload/media/product/productsearch/datasheet/rchip/PYu-RC_Group_51_RoHS_L_12.pdf, Manufacturer 2=YAGEO, Part Number=13K/0603, Supplier 1=Digi-Key, Supplier 2=Digi-Key, Supplier 3=LCSC, Supplier Part Number 2=13-RC0603FR-1013KLCT-ND, Supplier Part Number 3=C22797
R88 R89 R94 R101: "RES SM 0603 22K", Absolute Value=22000, JLC Type=Basic, Manufacturer=GENERIC, Manufacturer 1=YAGEO, Manufacturer 3="UNI-ROYAL(Uniroyal Elec)", Manufacturer Part Number 1=RC0603FR-1322KL, Manufacturer Part Number 2=RC0603FR-1022KL, Manufacturer Part Number 3=0603WAF2202T5E, Package=0603, Supplier Part Number 1=13-RC0603FR-1322KLCT-ND, HelpURL=https://www.yageo.com/upload/media/product/app/datasheet/rchip/pyu-rc_group_51_rohs_l.pdf, Manufacturer 2=YAGEO, Part Number=22K/0603, Supplier 1=Digi-Key, Supplier 2=Digi-Key, Supplier 3=LCSC, Supplier Part Number 2=13-RC0603FR-1022KLCT-ND, Supplier Part Number 3=C31850
R100: "RES SM 0603 10M", Absolute Value=10000000, JLC Type=Basic, Manufacturer=GENERIC, Manufacturer 1=YAGEO, Manufacturer 3="UNI-ROYAL(Uniroyal Elec)", Manufacturer Part Number 1=RC0603FR-1310ML, Manufacturer Part Number 2=RC0603FR-1010ML, Manufacturer Part Number 3=0603WAF1005T5E, Package=603, Supplier Part Number 1=13-RC0603FR-1310MLCT-ND, HelpURL=https://www.yageo.com/upload/media/product/productsearch/datasheet/rchip/PYu-RC_Group_51_RoHS_L_12.pdf, Manufacturer 2=YAGEO, Part Number=10M/0603, Supplier 1=Digi-Key, Supplier 2=Digi-Key, Supplier 3=LCSC, Supplier Part Number 2=13-RC0603FR-1010MLCT-ND, Supplier Part Number 3=C7250
TP1 TP2 TP3 TP4 TP5 TP6 TP9 TP10: "THT Test Point 1.5/0.8mm", Manufacturer=NONE, Part Number=TP_THD_1.5/0.8
U1 U4: "SOP-8 Timers / Clock Oscillators ROHS", JLC Type=Extended, Manufacturer=XINLUDA, Package=SOP8, HelpURL=https://datasheet.lcsc.com/lcsc/2212101330_XINLUDA-XL555_C521186.pdf, Manufacturer 3=XINLUDA, Manufacturer Part Number 3=XL555, Part Number=XL555, Supplier 3=LCSC, Supplier Part Number 3=C521186
U2: "Quad 2-input NAND", JLC Type=Extended, Manufacturer="Wuxi I-core Elec", Manufacturer Part Number 3=AIP74HC00SA.TB, Package=SOP-14, Manufacturer 3="Wuxi I-core Elec", Part Number=AIP74HC00, Supplier 3=LCSC, Supplier Part Number 3=C2943283
U3: "Single 2-input multiplexer", JLC Type=Extended, Manufacturer=Nexperia, Manufacturer Part Number 3=74LVC1G157GW,125, Package=SOT-363-6, Manufacturer 3=Nexperia, Part Number=74LVC1G157, Supplier 3=LCSC, Supplier Part Number 3=C135822
U5: "12-Stage binary ripple Counter", JLC Type=Extended, Manufacturer=HGSEMI, Manufacturer Part Number 3=CD4040BM/TR, Package=SOP-16, Manufacturer 3=HGSEMI, Part Number=CD4040BC, Supplier 3=LCSC, Supplier Part Number 3=C725347
U6 U7 U8 U9 U10 U11 U12 U13 U14 U15 U16 U17 U18 U19 U20 U21 U22 U23 U24 U25: "Intelligent control LED integrated light source with backup Pin", JLC Type=Extended, Manufacturer=WorldSemi, Package=SMD5050, HelpURL=https://datasheet.lcsc.com/lcsc/2012110135_Worldsemi-WS2813B-V5_C965558.pdf, Manufacturer 3=WorldSemi, Manufacturer Part Number 3=WS2813B-V5, Part Number=WS2813B-V5, Supplier 3=LCSC, Supplier Part Number 3=C965558
U26: "1A Standalone Linear Li-lon Battery Charger with Thermal Regulation in SOP-8", JLC Type=Extended, Manufacturer=MSKSEMI, Package=SOP-8, HelpURL=https://datasheet.lcsc.com/lcsc/2308080947_MSKSEMI-TP4056-MS_C7473158.pdf, Manufacturer 3=MSKSEMI, Manufacturer Part Number 3=TP4056-MS, Part Number=TP4056-MS, Supplier 3=LCSC, Supplier Part Number 3=C7473158
U27: "Single Cell Lithium-ion battery protection IC", JLC Type=Extended, Manufacturer=PUOLOP, Package=SOT23-6, HelpURL=https://datasheet.lcsc.com/lcsc/1912111437_PUOLOP-DW01A_C351410.pdf, Manufacturer 3=PUOLOP, Manufacturer Part Number 3=DW01A, Part Number=DW01A, Supplier 3=LCSC, Supplier Part Number 3=C351410
U28: "3.7-A Boost Converter with 0.5-V Ultra-low Input Voltage", JLC Type=Extended, Manufacturer="Texas Instruments", Package=SOT563, Supplier Part Number 1=296-TPS61023DRLRTR-ND, HelpURL=https://www.ti.com/lit/ds/symlink/tps61023.pdf, Manufacturer 1="Texas Instruments", Manufacturer 3="Texas Instruments", Manufacturer Part Number 1=TPS61023, Manufacturer Part Number 3=TPS61023, Part Number=TPS61023, Supplier 1=Digi-Key, Supplier 3=LCSC, Supplier Part Number 3=C919459
U29: "1.5A 2MHz 5.5V Synchronous Buck Converter", JLC Type=Extended, Manufacturer=Zetta, Manufacturer Part Number 3=ZD8028IB5TR, Package=SOT23-5, HelpURL=https://datasheet.lcsc.com/lcsc/2203221830_Zetta-ZD8028IB5TR_C2928932.pdf, Manufacturer 3=Zetta, Part Number=ZD8028C, Supplier 3=LCSC, Supplier Part Number 3=C2928932
U30: "Ultra Low Power Hall Switch Open Drain", JLC Type=Extended, Manufacturer="UTC(Unisonic Tech)", Manufacturer Part Number 3=UHE4913G-AE3-R, Package=SOT23, HelpURL=https://datasheet.lcsc.com/lcsc/1811061532_UTC-Unisonic-Tech-UHE4913G-AE3-R_C86815.pdf, Manufacturer 3="UTC(Unisonic Tech)", Part Number=UHE4913, Supplier 3=LCSC, Supplier Part Number 3=C86815

## Via types
v1: diameter 0.7, hole 0.35, Top Layer to Bottom Layer, tented both sides, 201 vias
v2: diameter 0.7, hole 0.35, Top Layer to Bottom Layer, 8 vias

## Nets (pads, with @x,y where several pads share a name; then routed paths per layer and width w, separated by ;. In a path a pad name is that pad's centre, name@x,y a point inside that pad or via, vN(x,y) a via of type N, cw(c..) or ccw(c..) an arc to the next point about the centre after c; other vN are vias at no path point)
3V3_FB: C58.2 R85.2 R88.1 U29.5 | length 4.9
  Top Layer w0.2: C58.2@11.3,5.375 R85.2@12.7,5.375 14.075,6.75 R88.1@14.075,6.8 14.075,5.375 U29.5@14.05,5.35
3V3_SW: L2.1 U29.3 | length 1.9
  Top Layer w0.55: L2.1@15.7,0.9 15.7,1.25 15.95,1.5 U29.3@15.95,2.65
5V2_FB: C55.2 R84.2 R87.2 U28.1@13,22.24 | length 11.2
  Top Layer w0.2: C55.2@10.2,17.625 R84.2@8.8,17.625 9.8,18.625 9.85,18.625 R87.2@10.225,19 v1(10.225,19.975) ; U28.1@13,22.24 13,22.368 13.15,22.518 13.3,22.518 v1(13.603,22.821)
  Bottom Layer w0.2: v1(10.225,19.975) 13.075,19.975 13.603,20.503 v1(13.603,22.821)
5V2_SW: L1.2 U28.5 | length 3
  Top Layer w0.3: U28.5@12.5,20.76 12.5,21.3 12.7,21.5 13.5,21.5
  Top Layer w0.5: 13.5,21.5 14.6,21.5 L1.2@14.8,21.7
+3V3: C58.1 C64.2 C65.1 C66.1 L2.2 M1.8 M2.8 Q6.2 R1.1 R2.1 R85.1 R92.1 R94.1 | length 22.1
  Top Layer w0.55: v1(22.15,2.5) Q6.2@22.15,3.55
  Top Layer w0.7: v1(10.325,6.825) C58.1@11.3,6.825 R85.1@12.7,6.825 ; L2.2@17.5,0.9 17.4,1 C64.2@17.4,2.575 17.775,2.2 18.2,2.2 C65.1@18.9,1.5 C66.1@20.5,1.5 ; R2.1@22.9,-3.075 v1(22.9,-2.1) ; v1(23.4,5.3) R94.1@23.4,6.275 ; R1.1@24.3,-3.075 v1(24.3,-2.1)
  Top Layer w0.95: M2.8@17.325,-2.764 R92.1@17.325,-0.9 19.1,-0.9 20.5,0.5 C66.1@20.5,1.5
  Top Layer w1: M1.8@16.622,-6.231 16.322,-4.095 M2.8@16.953,-3.259 M2.8@17.325,-2.764